# KiCad board NoU2-panelized2.kicad_pcb (continued)
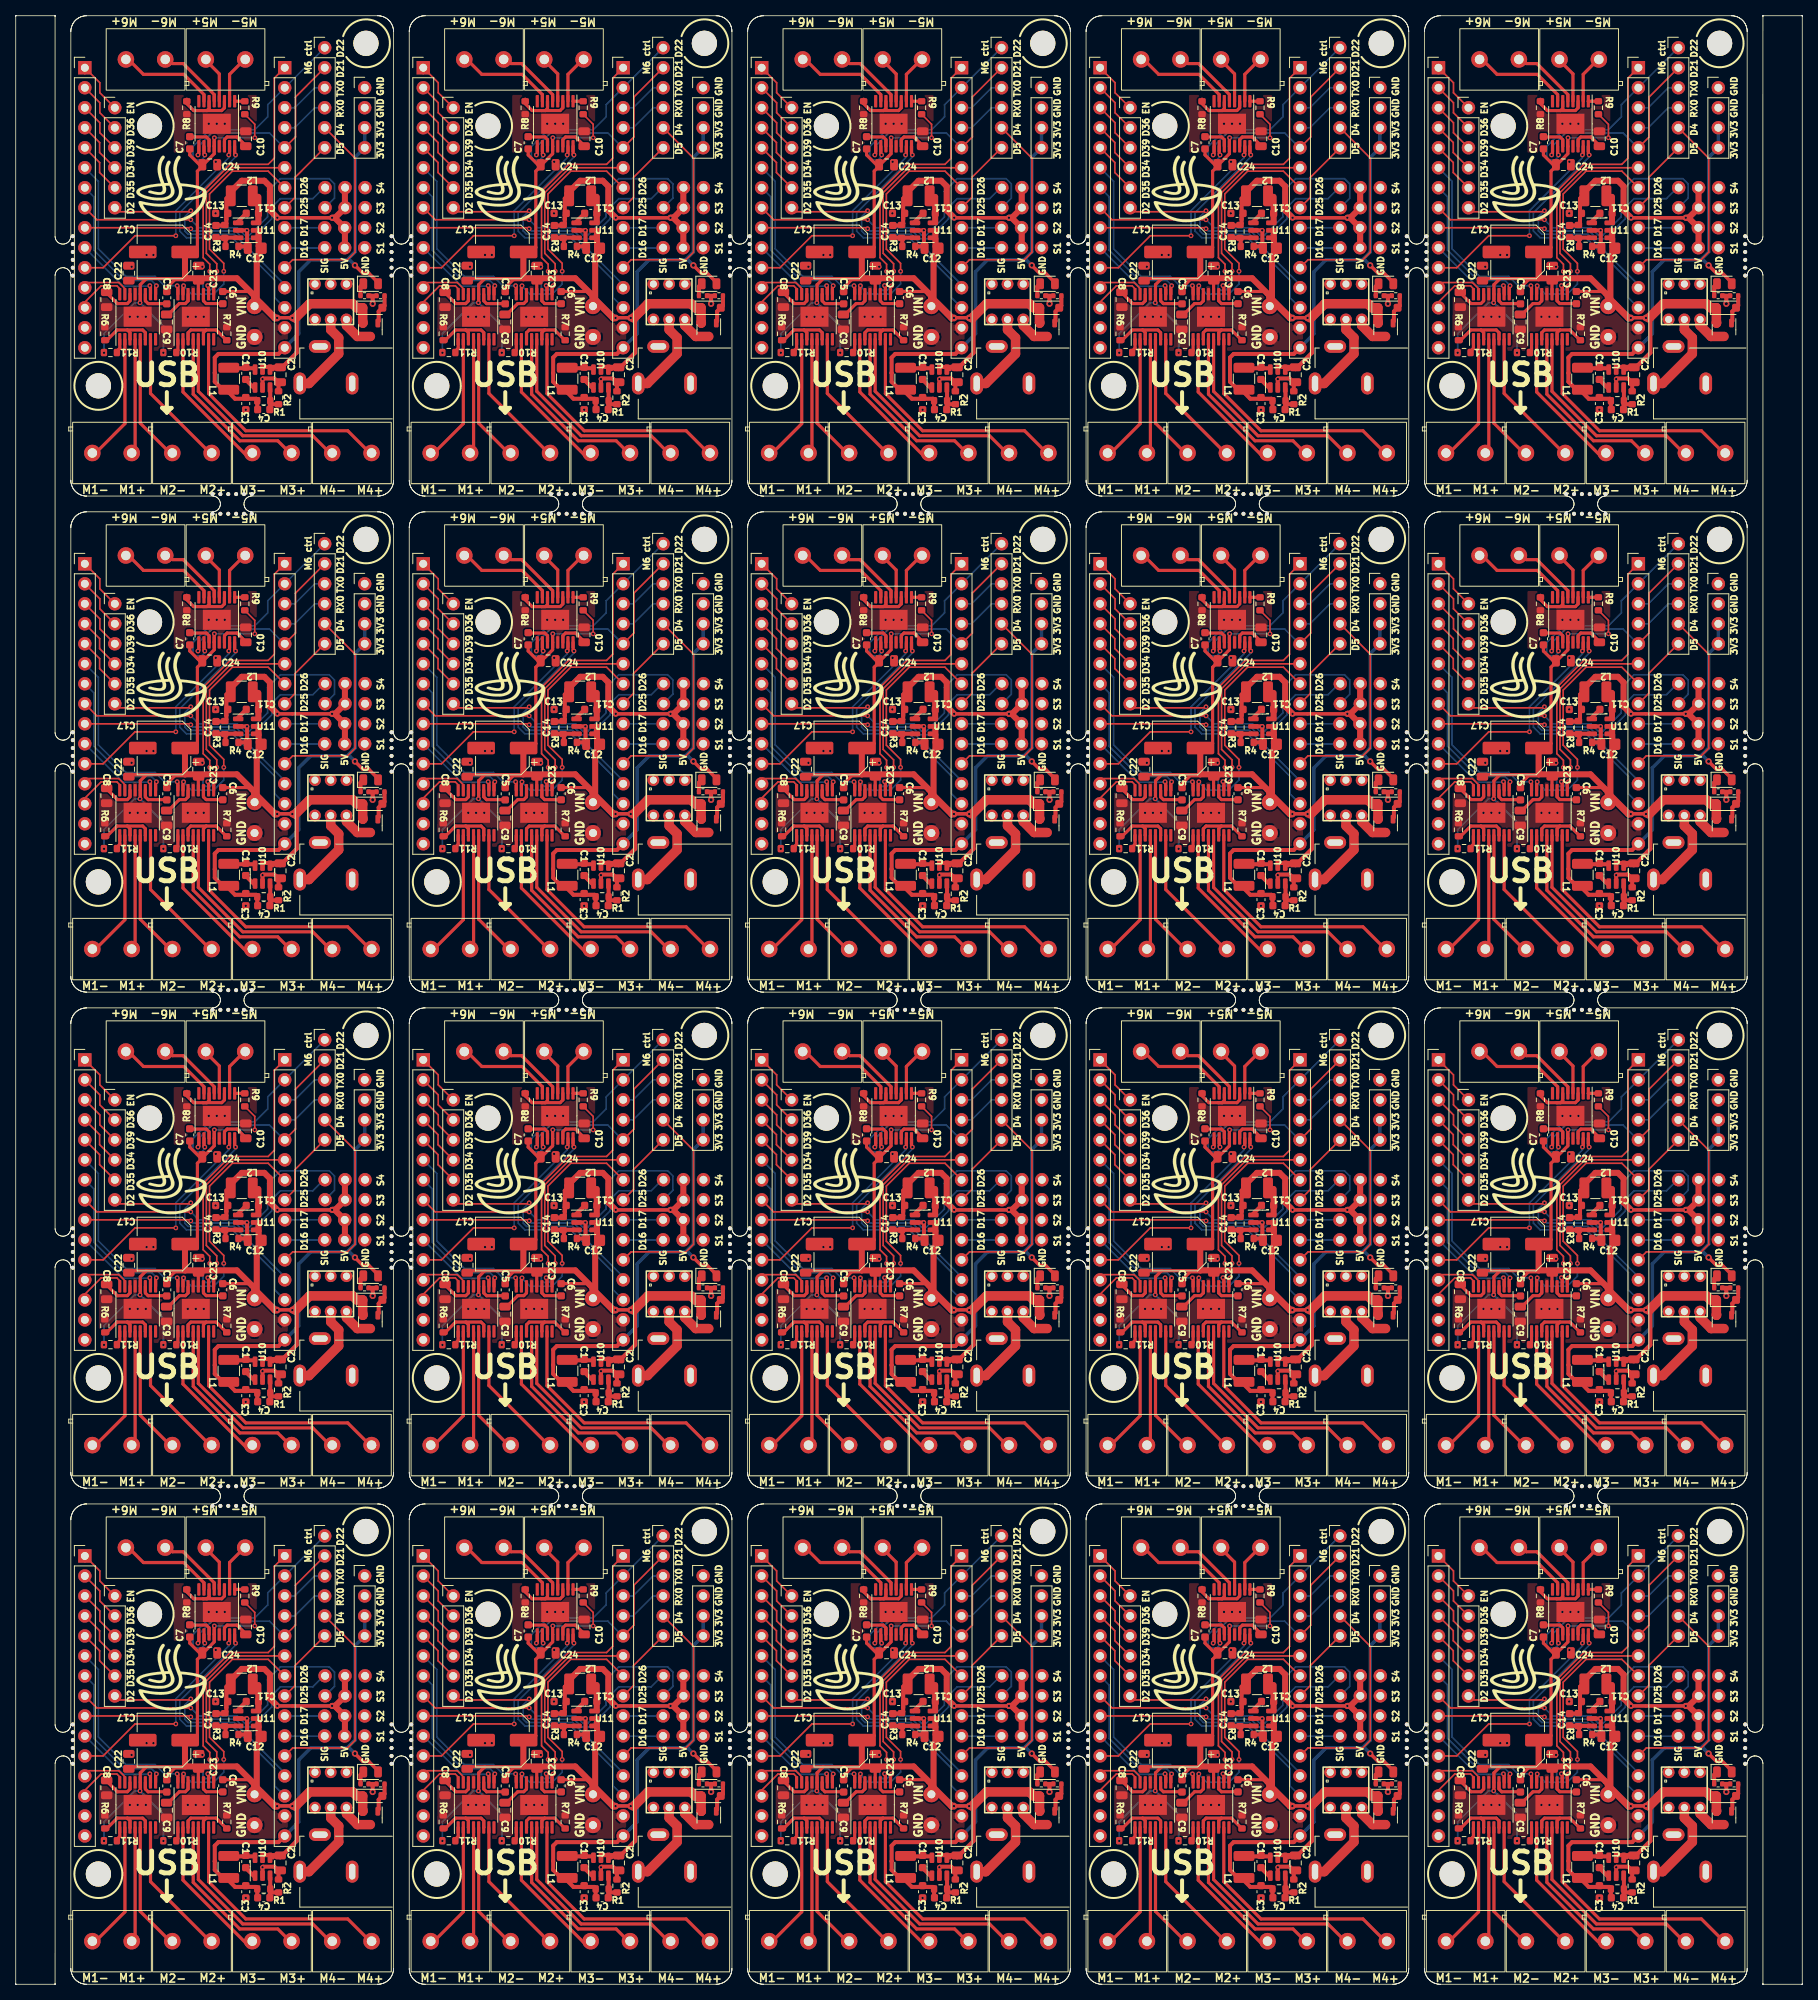
[diagram p0: board, top side]
## Routing (per net, layer and track width the routed paths; a pad name or vN(x,y) marks a point on that pad's centre or on a via; arc(x,y) is an arc through that point) (continued)
Board_10-M1A: length 6.9
  Top w0.203: 13.22,88.64 13.22,89.33 12.85,89.7 10.85,89.7 8.78,87.63 J2#19.13
Board_10-M1B: length 6.8
  Top w0.203: J2#19.12 8.78,90.12 13.1,90.12 13.87,89.34 13.87,88.64
Board_10-M2A: length 11.3
  Top w0.399: 17.03,89.66 17.12,89.57 17.12,88.64
  Bottom w0.203: J2#19.10 13.66,89.66 17.03,89.66
  vias: v2(17.03,89.72)
Board_10-M2B: length 19.4
  Top w0.399: 17.77,88.64 17.77,89.56 17.87,89.66
  Bottom w0.203: J2#19.7 9.93,101 9.93,94.22 13.78,90.37 17.26,90.37 17.87,89.76 v2(17.87,89.71) 17.87,89.66 17.87,89.72
Board_10-M3A: length 24
  Top w0.399: 20.51,89.66 20.6,89.57 U3#6.16
  Bottom w0.203: v2(20.51,89.72) 18.88,89.72 17.7,90.9 14,90.9 10.5,94.4 10.5,102.97 J2#19.6
Board_10-M3B: length 30.9
  Top w0.203: J5#20.7 32.07,104.26 27.52,104.26 24.62,101.36 24.62,94.36 26.43,92.55 v2(26.43,91.54) ; 21.25,89.58 21.33,89.66
  Top w0.399: U3#6.15 21.25,89.58
  Bottom w0.203: v2(26.43,91.54) 26.43,89.93 25.15,88.65 22.34,88.65 21.33,89.66
  vias: v2(21.33,89.71)
Board_10-M4A: length 25.2
  Top w0.203: J5#20.6 27.39,104.7 24.22,101.53 24.22,93.83 25.54,92.5 v2(25.54,91.54)
  Top w0.399: 24.4,89.66 24.5,89.56 U3#6.10
  Bottom w0.203: v2(25.54,91.54) 25.54,90.82 24.4,89.67 24.4,89.66
  vias: v2(24.4,89.74)
Board_10-M4B: length 38.7
  Top w0.203: v2(24.65,91.54) 24.65,92.44 23.82,93.28 23.82,101.7 27.24,105.13 32.07,105.13 32.86,105.92 32.86,116.08 J5#20.1
  Top w0.399: U3#6.9 25.15,89.55 25.26,89.66
  Bottom w0.203: v2(25.29,89.71) 24.71,89.13 24.11,89.13 23.79,89.44 23.79,90.12 24.65,90.98 v2(24.65,91.54)
Board_10-M5A: length 32.5
  Top w0.399: 27.93,106.37 v2(27.93,106.32) 27.82,106.43 U2#14.16
  Bottom w0.203: v2(27.93,106.32) 27.93,106.07 20.84,98.98 20.84,96.65 21.69,95.81 27.51,95.81 32.91,90.41 32.91,88.19 34.18,86.92 J5#20.13
Board_10-M5B: length 27.4
  Top w0.203: J2#19.11 11.1,92 15.16,96.06 v2(20.34,96.06)
  Top w0.399: 27.07,106.37 27.17,106.47 U2#14.15
  Bottom w0.203: 27.07,106.37 27.07,105.97 20.34,99.24 v2(20.34,96.06)
  vias: v2(27.07,106.32)
Board_10-M6A: length 27.3
  Top w0.203: 39.26,119.94 J1.1
  Top w0.399: 24.02,106.37 23.92,106.47 U2#14.10
  Bottom w0.203: v2(24.02,106.32) 24.02,106.12 23.59,105.69 22.85,105.69 22.53,106.02 22.53,107.39 24.65,109.52 30.37,109.52 32.02,111.17 32.02,112.7 J5#20.2 39.26,119.94
Board_10-M6B: length 26.9
  Top w0.203: J5#20.5 35.55,108.61 35.55,113.69 J1.2
  Top w0.399: U2#14.9 23.27,106.49 23.16,106.37
  Bottom w0.203: 23.16,106.37 23.27,106.49 23.27,107.46 24.92,109.11 32.24,109.11 34.11,107.24 J5#20.5
  vias: v2(23.16,106.32)
Board_10-Net-(D1-K): length 1.7
  Top w0.508: R14#8.1 43.81,89.61 D1#10.1
Board_10-Net-(D3-A): length 3.7
  Top w0.508: 46.01,85.12 46.12,85.23 46.12,86.45 D3#13.2 46.86,87.19 R5.1
Board_10-Net-(J10-Pad1): length 11.3
  Top w1.2: 36.08,77.3 37.26,77.3 41.04,81.07 41.04,83.11 40.02,84.12 U4#12.5
Board_10-Net-(J11-Pin_1): length 14.9
  Top w0.399: 15.17,82.91 15.17,68.42 14.88,68.12
Board_10-Net-(J11-Pin_2): length 16.5
  Top w0.399: 13.87,82.91 13.87,72.2 9.79,68.12
Board_10-Net-(J15-Pin_1): length 18.1
  Top w0.399: 17.12,82.91 17.12,76.03 25.03,68.12
Board_10-Net-(J15-Pin_2): length 16.5
  Top w0.399: 19.95,68.12 15.82,72.25 15.82,82.91
Board_10-Net-(J16-Pin_1): length 22.9
  Top w0.399: U3#6.4 22.55,75.94 28.47,70.02 33.3,70.02 35.2,68.12
Board_10-Net-(J16-Pin_2): length 18.9
  Top w0.399: U3#6.2 21.25,76.22 29.35,68.12 30.12,68.12
Board_10-Net-(J17-Pin_1): length 31
  Top w0.399: 45.35,68.12 42.18,71.29 29.23,71.29 24.5,76.02 U3#6.7
Board_10-Net-(J17-Pin_2): length 27.1
  Top w0.399: U3#6.5 23.2,76.3 28.84,70.66 37.73,70.66 40.27,68.12
Board_10-Net-(J18-Pin_1): length 6.4
  Top w0.399: 24.15,118.79 24.15,118.34 25.87,116.61 U2#14.4
Board_10-Net-(J18-Pin_2): length 6.5
  Top w0.399: 29.23,118.79 29.23,118.62 27.17,116.56 U2#14.2
Board_10-Net-(J19-Pin_1): length 12.8
  Top w0.399: 13.99,118.79 16.22,116.56 21.35,116.56 23.92,113.99 U2#14.7
Board_10-Net-(J19-Pin_2): length 9
  Top w0.399: U2#14.5 25.22,113.99 21.28,117.93 19.93,117.93 19.07,118.79
Board_10-Net-(Q1-D): length 4.4
  Top w1.2: Q1#7.3 43.41,83.27 42.02,84.66 U4#12.6
Board_10-Net-(U1-AISEN): length 7.8
  Top w0.399: 11.7,82.66 11.7,82.91 12.89,84.1 14.18,84.1 ; 14.52,82.91 14.52,82.91 14.52,83.75 14.18,84.1 ; 14.18,84.1 16.13,84.1 16.47,83.75 16.47,82.91 16.47,82.91
Board_10-Net-(U1-nSLEEP): length 1.8
  Top w0.399: 12.78,81.33 13.22,81.77 13.22,82.91
Board_10-Net-(U1-VCP): length 3.7
  Top w0.399: 16.47,88.64 16.47,87.79 16.82,87.44 19.16,87.44 C5#12.2
Board_10-Net-(U1-VINT): length 4.6
  Top w0.399: C8#16.1 11.55,88.81 12.91,87.45 14.18,87.45 14.52,87.79 14.52,88.64
Board_10-Net-(U2-AISEN): length 8.5
  Top w0.399: U2#14.3 26.52,112.3 26.17,111.96 23.79,111.96 ; 23.79,111.96 24.3,111.96 24.57,112.23 U2#14.6 ; 23.79,111.96 22.61,111.96 21.73,112.84 21.73,113.4
Board_10-Net-(U2-nSLEEP): length 1.3
  Top w0.399: U2#14.1 27.82,113.14 R9#10.1
Board_10-Net-(U2-VCP): length 3.5
  Top w0.399: C7#3.2 22.15,108.61 24.22,108.61 24.57,108.27 U2#14.11
Board_10-Net-(U2-VINT): length 4.2
  Top w0.399: U2#14.14 26.52,108.27 26.86,108.61 28.12,108.61 29.23,107.51 C10#20.1
Board_10-Net-(U3-AISEN): length 7.8
  Top w0.399: 24.19,84.1 25.47,84.1 26.69,82.89 26.69,82.66 ; 24.19,84.1 22.24,84.1 21.9,83.75 U3#6.3 21.9,82.91 ; 24.19,84.1 23.85,83.75 U3#6.6 23.84,82.9
Board_10-Net-(U3-nSLEEP): length 1.7
  Top w0.399: U3#6.1 20.6,81.53 20.4,81.33
Board_10-Net-(U3-VCP): length 3.4
  Top w0.399: C6#16.2 26.28,87.45 24.19,87.45 23.85,87.79 U3#6.11
Board_10-Net-(U3-VINT): length 4.3
  Top w0.399: C9#9.1 19.4,86.06 20.78,87.45 21.56,87.45 21.9,87.79 U3#6.14
Board_10-Net-(U10-BS): length 1.7
  Top w0.508: 29.2,77.8 30.37,76.63 ; 29.33,77.81 29.33,77.78
Board_10-Net-(U10-FB): length 4.1
  Top w0.508: C4#5.1 32.29,75.06 ; 32.29,75.06 R1#11.2 32.34,76.59 ; 32.29,75.06 32.29,74.84 32.46,74.66 R2#20.1 ; 32.41,75.06 32.46,75.1
Board_10-Net-(U10-LX): length 3.3
  Top w0.508: 30.43,79.23 27.15,79.23
Board_10-Net-(U11-BS): length 1.7
  Top w0.508: C11#10.2 28.08,97.7 28.06,97.7
Board_10-Net-(U11-FB): length 3.7
  Top w0.508: 28.06,95.8 28.04,95.82 C14#11.1 ; R3#3.2 26.65,95.69 R4#17.1
Board_10-Net-(U11-LX): length 3.5
  Top w0.508: 30.7,100.99 30.65,101.04 ; 30.68,98.75 C11#10.1 30.7,99.04
  Top w0.762: 30.83,97.81 30.83,98.86 ; 30.83,99.06 30.83,101
Board_10-RX0: length 6.1
  Bottom w0.203: J5#20.4 35.45,109.78 37.99,112.32 J1.4
Board_10-SRV1: length 5.1
  Top w0.203: 34.21,94.51 J5#20.10
  Bottom w0.203: 39.28,94.51 34.21,94.51
Board_10-SRV2: length 5.1
  Bottom w0.203: J5#20.9 39.26,97.08
Board_10-SRV3: length 41.8
  Top w0.203: J2#19.8 10.3,98.09 v2(22.24,98.09)
  Bottom w0.203: v2(22.24,98.09) 23.26,97.08 28.15,97.08 29.08,96.14 29.68,96.14 32,98.46 32,101.68 33.63,103.31 39.83,103.31 40.5,102.64 40.5,100.83 39.28,99.62
Board_10-SRV4: length 34.6
  Top w0.203: J2#19.9 22.15,97.08 v2(22.24,96.95)
  Bottom w0.203: v2(22.24,96.95) 22.52,96.67 27.91,96.67 28.91,95.68 29.99,95.68 32.53,98.22 32.53,99.67 33.63,100.77 37.75,100.77 39.13,102.16 39.28,102.16
Board_10-TX0: length 6.1
  Bottom w0.203: J5#20.3 35.45,112.32 37.99,114.86 J1.3
Board_10-VIN: length 119.5
  Top w0.203: v2(30.37,108.51) 30.37,110.22 R9#10.2
  Top w0.25: J14#15.1 30.74,87.51 30.74,88.1
  Top w0.399: 23.7,105.08 23.36,105.08 22.11,106.32 C7#3.1 ; 23.7,105.08 23.7,104.89 23.08,104.26 23.08,94.59 22.49,94 C17.1 ; 23.7,105.08 23.82,105.08 25.22,106.48 U2#14.12 25.21,107.43 25.21,108.51 ; 20.16,90.42 19.19,89.46 C5#12.1 ; 29.01,111.4 R9#10.2 ; 21.54,90.62 16.6,90.62 15.82,89.84 15.82,87.56 15.81,87.55 ; C6#16.1 29.78,88.98 30.04,88.72 ; 23.21,90.36 23.2,90.35 U3#6.12 ; C22#2.1 14.61,90.6 ; 14.65,90.62 16.63,90.62 ; 21.49,90.47 20.32,90.47
  Top w0.432: v2(33.21,85.62) 33.25,85.65 35.11,85.65 v2(35.14,85.62)
  Top w0.508: 31.65,79.4 32.27,79.4 ; 30.86,93.72 30.86,93.95 C12#10.2 ; 30.86,95.61 30.68,95.8 ; 32.53,79.27 32.69,79.11 ; 33.6,79.11 33.77,79.28 33.79,79.28 35.7,81.2 35.7,85.46 35.54,85.62 ; 33.52,79.41 32.61,79.41
  Top w0.762: C17.1 21.5,93.97 21.5,90.66 ; 30.85,95.7 30.85,96.65 ; 21.57,90.66 28.1,90.66 30.34,88.41 J14#15.1 30.62,87.4 30.62,93.48 30.86,93.72 30.86,95.61
  Top w0.864: v2(33.21,85.62) 32.93,85.62 30.34,88.21 30.34,88.41 ; 35.54,85.62 v2(35.14,85.62)
  Top w1.2: 44.11,85.12 Q1#7.2 44.09,85 D3#13.1 43.32,86.92 42.81,87.42 37.34,87.42 35.54,85.62
  Bottom w0.203: 25.21,108.51 v2(30.37,108.51) ; v2(11.22,81.2) 11.22,83.64 15.13,87.55 v2(15.79,87.55)
  Bottom w0.25: v2(15.79,87.55) 18.76,84.58 v2(18.76,81.2)
  Bottom w0.432: v2(33.21,85.62) 33.25,85.65 35.11,85.65 v2(35.14,85.62)
  vias: v2(25.24,108.51)
Board_11-3V3: length 60.9
  Top w0.432: v1(86.1,92.3) 87.1,91.3 87.85,91.3 89.04,90.11 D1#16.2
  Top w0.508: 70.07,76.37 69.94,76.5 69.94,76.29 70.87,75.36 73.56,75.36 73.81,75.1 ; 73.81,74.04 73.86,73.99 ; 70.2,76.25 69.56,76.25 68.29,77.52 68.29,78.63 68.29,78.63 68.29,80.59 68.75,81.05 76.39,81.05 J5#4.15 ; R1#13.1 73.69,74.04
  Bottom w0.432: J3#12.3 J3#12.4 86.11,106.01 86.11,94.01 85.12,93.01 ; v1(86.1,92.3) 85.39,93.01 85.12,93.01 ; 85.12,93.01 80.48,93.01 78.96,91.49 78.96,83.62 J5#4.15
Board_11-5V: length 40.3
  Top w0.432: v2(83.2,98.35) v2(76.24,98.35)
  Top w0.508: C14#8.2 69.5,97.37 R3#11.1 69.76,97.63 69.76,98.14 ; 70.11,101.14 69.76,100.79 69.76,98.14 ; 69.76,98.14 69.76,98.69 69.98,98.9 69.98,99.1
  Top w0.762: 84.82,94.51 84.82,97.05 83.53,98.35 v2(83.2,98.35) 83.58,98.35 84.82,99.59 84.82,102.16 ; v2(76.24,98.35) 75.3,99.29 75.3,102.33 74.59,103.05 72.58,103.05 72.58,103.04 71.72,103.04 70.11,101.43 70.11,101.14
  Bottom w0.432: v2(76.24,98.35) v2(83.2,98.35)
Board_11-/Sheet6057E9B8/D34: length 6.7
  Top w0.203: J4#19.4 53.66,106.63 53.66,107.9 J2#20.4
Board_11-/Sheet6057E9B8/D35: length 6.7
  Top w0.203: J4#19.5 53.66,104.09 53.66,105.36 J2#20.5
Board_11-/Sheet6057E9B8/D36: length 6.7
  Top w0.203: J2#20.2 53.68,112.95 53.68,111.68 J4#19.2
Board_11-/Sheet6057E9B8/D39: length 6.7
  Top w0.203: J4#19.3 53.68,109.14 53.68,110.41 J2#20.3
Board_11-/Sheet6057E9B8/EN: length 7.3
  Top w0.203: J4#19.1 53.68,114.22 53.68,115.49 J2#20.1
  Top w0.399: 51.78,116.76 J2#20.1
Board_11-D2: length 28.7
  Top w0.203: v2(65.24,99.24) 65.11,99.11 56.1,99.11 J4#19.6
  Bottom w0.203: J5#4.12 77.18,89.84 70.77,96.25 64.9,96.25 64.48,96.67 64.48,98.47 v2(65.24,99.24)
Board_11-D4: length 27.2
  Top w0.203: J5#4.11 78.19,93.01 85.15,93.01 86.12,93.98 86.12,105.92 J1#13.5
Board_11-D5: length 9.7
  Top w0.203: J5#4.8 78.5,100.94 78.5,103.48 J1#13.6
Board_11-GND: length 11.5
  Top w0.508: 72.32,73.98 72.33,73.98 ; R4#18.2 72.31,94.71 72.4,94.8 72.4,96.72 v2(72.38,96.75) 71.06,96.75 ; R5#13.2 88.1,88.44 ; 88.1,88.44 R14#5.2 ; 88.1,88.44 88.35,88.19 v1(88.35,87.42) ; 76.39,76.31 76.39,77.24 76.61,77.46 76.33,77.46 75.86,77.93 74.43,77.93 v2(74.36,77.86) 74.36,76.61
  vias: v2(57.49,85.77) v2(57.72,92.12) v2(58.5,85.77) v2(59.53,85.77) v2(59.63,93.62) v2(60.49,93.62) v2(64.86,85.77) v2(65.88,85.77) v2(66.71,92.12) v2(66.89,85.77) v2(67.53,110.28) v2(68.42,105.46) v2(68.39,98.9) v2(68.54,110.28) v2(69.56,110.28) v2(72.23,73.96)
Board_11-M1A: length 6.9
  Top w0.203: 56.22,88.64 56.22,89.33 55.85,89.7 53.85,89.7 51.78,87.63 J2#20.13
Board_11-M1B: length 6.8
  Top w0.203: J2#20.12 51.78,90.12 56.1,90.12 56.87,89.34 56.87,88.64
Board_11-M2A: length 11.3
  Top w0.399: 60.03,89.66 60.12,89.57 60.12,88.64
  Bottom w0.203: J2#20.10 56.66,89.66 60.03,89.66
  vias: v2(60.03,89.72)
Board_11-M2B: length 19.4
  Top w0.399: 60.77,88.64 60.77,89.56 60.87,89.66
  Bottom w0.203: J2#20.7 52.93,101 52.93,94.22 56.78,90.37 60.26,90.37 60.87,89.76 v2(60.87,89.71) 60.87,89.66 60.87,89.72
Board_11-M3A: length 24
  Top w0.399: 63.51,89.66 63.6,89.57 U3#7.16
  Bottom w0.203: v2(63.51,89.72) 61.88,89.72 60.7,90.9 57,90.9 53.5,94.4 53.5,102.97 J2#20.6
Board_11-M3B: length 30.9
  Top w0.203: J5#4.7 75.07,104.26 70.52,104.26 67.62,101.36 67.62,94.36 69.43,92.55 v2(69.43,91.54) ; 64.25,89.58 64.33,89.66
  Top w0.399: U3#7.15 64.25,89.58
  Bottom w0.203: v2(69.43,91.54) 69.43,89.93 68.15,88.65 65.34,88.65 64.33,89.66
  vias: v2(64.33,89.71)
Board_11-M4A: length 25.2
  Top w0.203: J5#4.6 70.39,104.7 67.22,101.53 67.22,93.83 68.54,92.5 v2(68.54,91.54)
  Top w0.399: 67.4,89.66 67.5,89.56 U3#7.10
  Bottom w0.203: v2(68.54,91.54) 68.54,90.82 67.4,89.67 67.4,89.66
  vias: v2(67.4,89.74)
Board_11-M4B: length 38.7
  Top w0.203: v2(67.65,91.54) 67.65,92.44 66.82,93.28 66.82,101.7 70.24,105.13 75.07,105.13 75.86,105.92 75.86,116.08 J5#4.1
  Top w0.399: U3#7.9 68.15,89.55 68.26,89.66
  Bottom w0.203: v2(68.29,89.71) 67.71,89.13 67.11,89.13 66.79,89.44 66.79,90.12 67.65,90.98 v2(67.65,91.54)
Board_11-M5A: length 32.5
  Top w0.399: 70.93,106.37 v2(70.93,106.32) 70.82,106.43 U2#5.16
  Bottom w0.203: v2(70.93,106.32) 70.93,106.07 63.84,98.98 63.84,96.65 64.69,95.81 70.51,95.81 75.91,90.41 75.91,88.19 77.18,86.92 J5#4.13
Board_11-M5B: length 27.4
  Top w0.203: J2#20.11 54.1,92 58.16,96.06 v2(63.34,96.06)
  Top w0.399: 70.07,106.37 70.17,106.47 U2#5.15
  Bottom w0.203: 70.07,106.37 70.07,105.97 63.34,99.24 v2(63.34,96.06)
  vias: v2(70.07,106.32)
Board_11-M6A: length 27.3
  Top w0.203: 82.25,119.94 J1#13.1
  Top w0.399: 67.02,106.37 66.92,106.47 U2#5.10
  Bottom w0.203: v2(67.02,106.32) 67.02,106.12 66.59,105.69 65.85,105.69 65.53,106.02 65.53,107.39 67.65,109.52 73.37,109.52 75.02,111.17 75.02,112.7 J5#4.2 82.25,119.94
Board_11-M6B: length 26.9
  Top w0.203: J5#4.5 78.55,108.61 78.55,113.69 J1#13.2
  Top w0.399: U2#5.9 66.27,106.49 66.16,106.37
  Bottom w0.203: 66.16,106.37 66.27,106.49 66.27,107.46 67.92,109.11 75.24,109.11 77.11,107.24 J5#4.5
  vias: v2(66.16,106.32)
Board_11-Net-(D1-K): length 1.7
  Top w0.508: R14#5.1 86.81,89.61 D1#16.1
Board_11-Net-(D3-A): length 3.7
  Top w0.508: 89.01,85.12 89.12,85.23 89.12,86.45 D3#3.2 89.86,87.19 R5#13.1
Board_11-Net-(J10-Pad1): length 11.3
  Top w1.2: 79.08,77.3 80.26,77.3 84.04,81.07 84.04,83.11 83.02,84.12 U4#5.5
Board_11-Net-(J11-Pin_1): length 14.9
  Top w0.399: 58.17,82.91 58.17,68.42 57.87,68.12
Board_11-Net-(J11-Pin_2): length 16.5
  Top w0.399: 56.87,82.91 56.87,72.2 52.79,68.12
Board_11-Net-(J15-Pin_1): length 18.1
  Top w0.399: 60.12,82.91 60.12,76.03 68.03,68.12
Board_11-Net-(J15-Pin_2): length 16.5
  Top w0.399: 62.95,68.12 58.82,72.25 58.82,82.91
Board_11-Net-(J16-Pin_1): length 22.9
  Top w0.399: U3#7.4 65.55,75.94 71.47,70.02 76.3,70.02 78.19,68.12
Board_11-Net-(J16-Pin_2): length 18.9
  Top w0.399: U3#7.2 64.25,76.22 72.35,68.12 73.12,68.12
Board_11-Net-(J17-Pin_1): length 31
  Top w0.399: 88.35,68.12 85.18,71.29 72.23,71.29 67.5,76.02 U3#7.7
Board_11-Net-(J17-Pin_2): length 27.1
  Top w0.399: U3#7.5 66.2,76.3 71.84,70.66 80.73,70.66 83.28,68.12
Board_11-Net-(J18-Pin_1): length 6.4
  Top w0.399: 67.15,118.79 67.15,118.34 68.87,116.61 U2#5.4
Board_11-Net-(J18-Pin_2): length 6.5
  Top w0.399: 72.23,118.79 72.23,118.62 70.17,116.56 U2#5.2
Board_11-Net-(J19-Pin_1): length 12.8
  Top w0.399: 56.99,118.79 59.22,116.56 64.35,116.56 66.92,113.99 U2#5.7
Board_11-Net-(J19-Pin_2): length 9
  Top w0.399: U2#5.5 68.22,113.99 64.28,117.93 62.93,117.93 62.07,118.79
Board_11-Net-(Q1-D): length 4.4
  Top w1.2: Q1.3 86.41,83.27 85.02,84.66 U4#5.6
Board_11-Net-(U1-AISEN): length 7.8
  Top w0.399: 54.7,82.66 54.7,82.91 55.89,84.1 57.18,84.1 ; 57.52,82.91 57.52,82.91 57.52,83.75 57.18,84.1 ; 57.18,84.1 59.13,84.1 59.47,83.75 59.47,82.91 59.47,82.91
Board_11-Net-(U1-nSLEEP): length 1.8
  Top w0.399: 55.78,81.33 56.22,81.77 56.22,82.91
Board_11-Net-(U1-VCP): length 3.7
  Top w0.399: 59.47,88.64 59.47,87.79 59.82,87.44 62.16,87.44 C5#2.2
Board_11-Net-(U1-VINT): length 4.6
  Top w0.399: C8#17.1 54.55,88.81 55.91,87.45 57.18,87.45 57.52,87.79 57.52,88.64
Board_11-Net-(U2-AISEN): length 8.5
  Top w0.399: U2#5.3 69.52,112.3 69.17,111.96 66.79,111.96 ; 66.79,111.96 67.3,111.96 67.57,112.23 U2#5.6 ; 66.79,111.96 65.61,111.96 64.73,112.84 64.73,113.4
Board_11-Net-(U2-nSLEEP): length 1.3
  Top w0.399: U2#5.1 70.82,113.14 R9#18.1
Board_11-Net-(U2-VCP): length 3.5
  Top w0.399: C7#5.2 65.15,108.61 67.22,108.61 67.57,108.27 U2#5.11
Board_11-Net-(U2-VINT): length 4.2
  Top w0.399: U2#5.14 69.52,108.27 69.86,108.61 71.12,108.61 72.23,107.51 C10#6.1
Board_11-Net-(U3-AISEN): length 7.8
  Top w0.399: 67.19,84.1 68.47,84.1 69.69,82.89 69.69,82.66 ; 67.19,84.1 65.24,84.1 64.9,83.75 U3#7.3 64.9,82.91 ; 67.19,84.1 66.85,83.75 U3#7.6 66.84,82.9
Board_11-Net-(U3-nSLEEP): length 1.7
  Top w0.399: U3#7.1 63.6,81.53 63.4,81.33
Board_11-Net-(U3-VCP): length 3.4
  Top w0.399: C6#14.2 69.28,87.45 67.19,87.45 66.85,87.79 U3#7.11
Board_11-Net-(U3-VINT): length 4.3
  Top w0.399: C9#10.1 62.4,86.06 63.78,87.45 64.56,87.45 64.9,87.79 U3#7.14
Board_11-Net-(U10-BS): length 1.7
  Top w0.508: 72.2,77.8 73.37,76.63 ; 72.33,77.81 72.33,77.78
Board_11-Net-(U10-FB): length 4.1
  Top w0.508: C4#14.1 75.29,75.06 ; 75.29,75.06 R1#13.2 75.34,76.59 ; 75.29,75.06 75.29,74.84 75.46,74.66 R2#6.1 ; 75.41,75.06 75.46,75.1
Board_11-Net-(U10-LX): length 3.3
  Top w0.508: 73.43,79.23 70.15,79.23
Board_11-Net-(U11-BS): length 1.7
  Top w0.508: C11#19.2 71.08,97.7 71.06,97.7
Board_11-Net-(U11-FB): length 3.7
  Top w0.508: 71.06,95.8 71.04,95.82 C14#8.1 ; R3#11.2 69.65,95.69 R4#18.1
Board_11-Net-(U11-LX): length 3.5
  Top w0.508: 73.7,100.99 73.65,101.04 ; 73.68,98.75 C11#19.1 73.7,99.04
  Top w0.762: 73.83,97.81 73.83,98.86 ; 73.83,99.06 73.83,101
Board_11-RX0: length 6.1
  Bottom w0.203: J5#4.4 78.45,109.78 80.99,112.32 J1#13.4
Board_11-SRV1: length 5.1
  Top w0.203: 77.21,94.51 J5#4.10
  Bottom w0.203: 82.28,94.51 77.21,94.51
Board_11-SRV2: length 5.1
  Bottom w0.203: J5#4.9 82.25,97.08
Board_11-SRV3: length 41.8
  Top w0.203: J2#20.8 53.3,98.09 v2(65.24,98.09)
  Bottom w0.203: v2(65.24,98.09) 66.26,97.08 71.15,97.08 72.08,96.14 72.68,96.14 75,98.46 75,101.68 76.63,103.31 82.83,103.31 83.5,102.64 83.5,100.83 82.28,99.62
Board_11-SRV4: length 34.6
  Top w0.203: J2#20.9 65.15,97.08 v2(65.24,96.95)
  Bottom w0.203: v2(65.24,96.95) 65.52,96.67 70.91,96.67 71.91,95.68 72.99,95.68 75.53,98.22 75.53,99.67 76.63,100.77 80.75,100.77 82.13,102.16 82.28,102.16
Board_11-TX0: length 6.1
  Bottom w0.203: J5#4.3 78.45,112.32 80.99,114.86 J1#13.3
Board_11-VIN: length 119.5
  Top w0.203: v2(73.37,108.51) 73.37,110.22 R9#18.2
  Top w0.25: J14#19.1 73.74,87.51 73.74,88.1
  Top w0.399: C24#19.1 66.36,105.08 65.11,106.32 C7#5.1 ; C24#19.1 66.7,104.89 66.08,104.26 66.08,94.59 65.5,94 C17#11.1 ; C24#19.1 66.82,105.08 68.22,106.48 U2#5.12 68.21,107.43 68.21,108.51 ; 63.16,90.42 62.19,89.46 C5#2.1 ; 72.01,111.4 R9#18.2 ; 64.54,90.62 59.6,90.62 58.82,89.84 58.82,87.56 58.81,87.55 ; C6#14.1 72.78,88.98 73.04,88.72 ; 66.21,90.36 66.2,90.35 U3#7.12 ; C22#17.1 57.61,90.6 ; 57.65,90.62 59.63,90.62 ; 64.49,90.47 63.32,90.47
  Top w0.432: v2(76.21,85.62) 76.25,85.65 78.11,85.65 v2(78.14,85.62)
  Top w0.508: 74.65,79.4 75.27,79.4 ; 73.86,93.72 73.86,93.95 C12#16.2 ; 73.86,95.61 73.68,95.8 ; 75.53,79.27 75.69,79.11 ; 76.6,79.11 76.77,79.28 76.79,79.28 78.7,81.2 78.7,85.46 78.54,85.62 ; 76.52,79.41 75.61,79.41
  Top w0.762: C17#11.1 64.5,93.97 64.5,90.66 ; 73.85,95.7 73.85,96.65 ; 64.57,90.66 71.1,90.66 73.34,88.41 J14#19.1 73.62,87.4 73.62,93.48 73.86,93.72 73.86,95.61
  Top w0.864: v2(76.21,85.62) 75.93,85.62 73.34,88.21 73.34,88.41 ; 78.54,85.62 v2(78.14,85.62)
  Top w1.2: 87.11,85.12 Q1.2 87.09,85 D3#3.1 86.32,86.92 85.81,87.42 80.34,87.42 78.54,85.62
  Bottom w0.203: 68.21,108.51 v2(73.37,108.51) ; v2(54.22,81.2) 54.22,83.64 58.13,87.55 v2(58.79,87.55)
  Bottom w0.25: v2(58.79,87.55) 61.76,84.58 v2(61.76,81.2)
  Bottom w0.432: v2(76.21,85.62) 76.25,85.65 78.11,85.65 v2(78.14,85.62)
  vias: v2(68.24,108.51)
Board_12-3V3: length 60.9
  Top w0.432: v1(129.1,92.3) 130.1,91.3 130.85,91.3 132.04,90.11 D1#12.2
  Top w0.508: 113.07,76.37 112.94,76.5 112.94,76.29 113.87,75.36 116.56,75.36 116.81,75.1 ; 116.81,74.04 116.86,73.99 ; 113.2,76.25 112.56,76.25 111.29,77.52 111.29,78.63 111.29,78.63 111.29,80.59 111.75,81.05 119.39,81.05 J5#8.15 ; R1#12.1 116.69,74.04
  Bottom w0.432: J3#10.3 J3#10.4 129.11,106.01 129.11,94.01 128.12,93.01 ; v1(129.1,92.3) 128.39,93.01 128.12,93.01 ; 128.12,93.01 123.48,93.01 121.96,91.49 121.96,83.62 J5#8.15
Board_12-5V: length 40.3
  Top w0.432: v2(126.2,98.35) v2(119.24,98.35)
  Top w0.508: C14#13.2 112.5,97.37 R3#10.1 112.76,97.63 112.76,98.14 ; 113.11,101.14 112.76,100.79 112.76,98.14 ; 112.76,98.14 112.76,98.69 112.98,98.9 112.98,99.1
  Top w0.762: 127.82,94.51 127.82,97.05 126.53,98.35 v2(126.2,98.35) 126.58,98.35 127.82,99.59 127.82,102.16 ; v2(119.24,98.35) 118.3,99.29 118.3,102.33 117.59,103.05 115.58,103.05 115.58,103.04 114.72,103.04 113.11,101.43 113.11,101.14
  Bottom w0.432: v2(119.24,98.35) v2(126.2,98.35)
Board_12-/Sheet6057E9B8/D34: length 6.7
  Top w0.203: J4#11.4 96.66,106.63 96.66,107.9 J2#11.4
Board_12-/Sheet6057E9B8/D35: length 6.7
  Top w0.203: J4#11.5 96.66,104.09 96.66,105.36 J2#11.5
Board_12-/Sheet6057E9B8/D36: length 6.7
  Top w0.203: J2#11.2 96.68,112.95 96.68,111.68 J4#11.2
Board_12-/Sheet6057E9B8/D39: length 6.7
  Top w0.203: J4#11.3 96.68,109.14 96.68,110.41 J2#11.3
Board_12-/Sheet6057E9B8/EN: length 7.3
  Top w0.203: J4#11.1 96.68,114.22 96.68,115.49 J2#11.1
  Top w0.399: 94.78,116.76 J2#11.1
Board_12-D2: length 28.7
  Top w0.203: v2(108.24,99.24) 108.11,99.11 99.1,99.11 J4#11.6
  Bottom w0.203: J5#8.12 120.18,89.84 113.77,96.25 107.9,96.25 107.48,96.67 107.48,98.47 v2(108.24,99.24)
Board_12-D4: length 27.2
  Top w0.203: J5#8.11 121.19,93.01 128.15,93.01 129.12,93.98 129.12,105.92 J1#3.5
Board_12-D5: length 9.7
  Top w0.203: J5#8.8 121.5,100.94 121.5,103.48 J1#3.6
Board_12-GND: length 11.5
  Top w0.508: 115.32,73.98 115.33,73.98 ; R4#3.2 115.31,94.71 115.4,94.8 115.4,96.72 v2(115.38,96.75) 114.06,96.75 ; R5#16.2 131.1,88.44 ; 131.1,88.44 R14#14.2 ; 131.1,88.44 131.36,88.19 v1(131.36,87.42) ; 119.39,76.31 119.39,77.24 119.61,77.46 119.33,77.46 118.86,77.93 117.43,77.93 v2(117.36,77.86) 117.36,76.61
  vias: v2(100.49,85.77) v2(100.72,92.12) v2(101.5,85.77) v2(102.53,85.77) v2(102.63,93.62) v2(103.49,93.62) v2(107.86,85.77) v2(108.88,85.77) v2(109.71,92.12) v2(109.89,85.77) v2(110.53,110.28) v2(111.42,105.46) v2(111.39,98.9) v2(111.54,110.28) v2(112.56,110.28) v2(115.23,73.96)
Board_12-M1A: length 6.9
  Top w0.203: 99.22,88.64 99.22,89.33 98.85,89.7 96.85,89.7 94.78,87.63 J2#11.13
Board_12-M1B: length 6.8
  Top w0.203: J2#11.12 94.78,90.12 99.1,90.12 99.87,89.34 99.87,88.64
Board_12-M2A: length 11.3
  Top w0.399: 103.03,89.66 103.12,89.57 103.12,88.64
  Bottom w0.203: J2#11.10 99.66,89.66 103.03,89.66
  vias: v2(103.03,89.72)
Board_12-M2B: length 19.4
  Top w0.399: 103.77,88.64 103.77,89.56 103.87,89.66
  Bottom w0.203: J2#11.7 95.93,101 95.93,94.22 99.78,90.37 103.26,90.37 103.87,89.76 v2(103.87,89.71) 103.87,89.66 103.87,89.72
Board_12-M3A: length 24
  Top w0.399: 106.51,89.66 106.6,89.57 U3#4.16
  Bottom w0.203: v2(106.51,89.72) 104.88,89.72 103.7,90.9 100,90.9 96.5,94.4 96.5,102.97 J2#11.6
Board_12-M3B: length 30.9
  Top w0.203: J5#8.7 118.07,104.26 113.52,104.26 110.62,101.36 110.62,94.36 112.43,92.55 v2(112.43,91.54) ; 107.25,89.58 107.33,89.66
  Top w0.399: U3#4.15 107.25,89.58
  Bottom w0.203: v2(112.43,91.54) 112.43,89.93 111.15,88.65 108.34,88.65 107.33,89.66
  vias: v2(107.33,89.71)
Board_12-M4A: length 25.2
  Top w0.203: J5#8.6 113.39,104.7 110.22,101.53 110.22,93.83 111.54,92.5 v2(111.54,91.54)
  Top w0.399: 110.4,89.66 110.5,89.56 U3#4.10
  Bottom w0.203: v2(111.54,91.54) 111.54,90.82 110.4,89.67 110.4,89.66
  vias: v2(110.4,89.74)
Board_12-M4B: length 38.7
  Top w0.203: v2(110.65,91.54) 110.65,92.44 109.82,93.28 109.82,101.7 113.24,105.13 118.07,105.13 118.86,105.92 118.86,116.08 J5#8.1
  Top w0.399: U3#4.9 111.15,89.55 111.26,89.66
  Bottom w0.203: v2(111.29,89.71) 110.71,89.13 110.11,89.13 109.79,89.44 109.79,90.12 110.65,90.98 v2(110.65,91.54)
Board_12-M5A: length 32.5
  Top w0.399: 113.93,106.37 v2(113.93,106.32) 113.82,106.43 U2#15.16
  Bottom w0.203: v2(113.93,106.32) 113.93,106.07 106.84,98.98 106.84,96.65 107.69,95.81 113.51,95.81 118.91,90.41 118.91,88.19 120.18,86.92 J5#8.13
Board_12-M5B: length 27.4
  Top w0.203: J2#11.11 97.1,92 101.16,96.06 v2(106.34,96.06)
  Top w0.399: 113.07,106.37 113.17,106.47 U2#15.15
  Bottom w0.203: 113.07,106.37 113.07,105.97 106.34,99.24 v2(106.34,96.06)
  vias: v2(113.07,106.32)
Board_12-M6A: length 27.3
  Top w0.203: 125.25,119.94 J1#3.1
  Top w0.399: 110.02,106.37 109.92,106.47 U2#15.10
  Bottom w0.203: v2(110.02,106.32) 110.02,106.12 109.59,105.69 108.85,105.69 108.53,106.02 108.53,107.39 110.65,109.52 116.37,109.52 118.02,111.17 118.02,112.7 J5#8.2 125.25,119.94
Board_12-M6B: length 26.9
  Top w0.203: J5#8.5 121.55,108.61 121.55,113.69 J1#3.2
  Top w0.399: U2#15.9 109.27,106.49 109.16,106.37
  Bottom w0.203: 109.16,106.37 109.27,106.49 109.27,107.46 110.92,109.11 118.24,109.11 120.11,107.24 J5#8.5
  vias: v2(109.16,106.32)
